# KiCad board BEEWATCH MK2.kicad_pcb (continued)
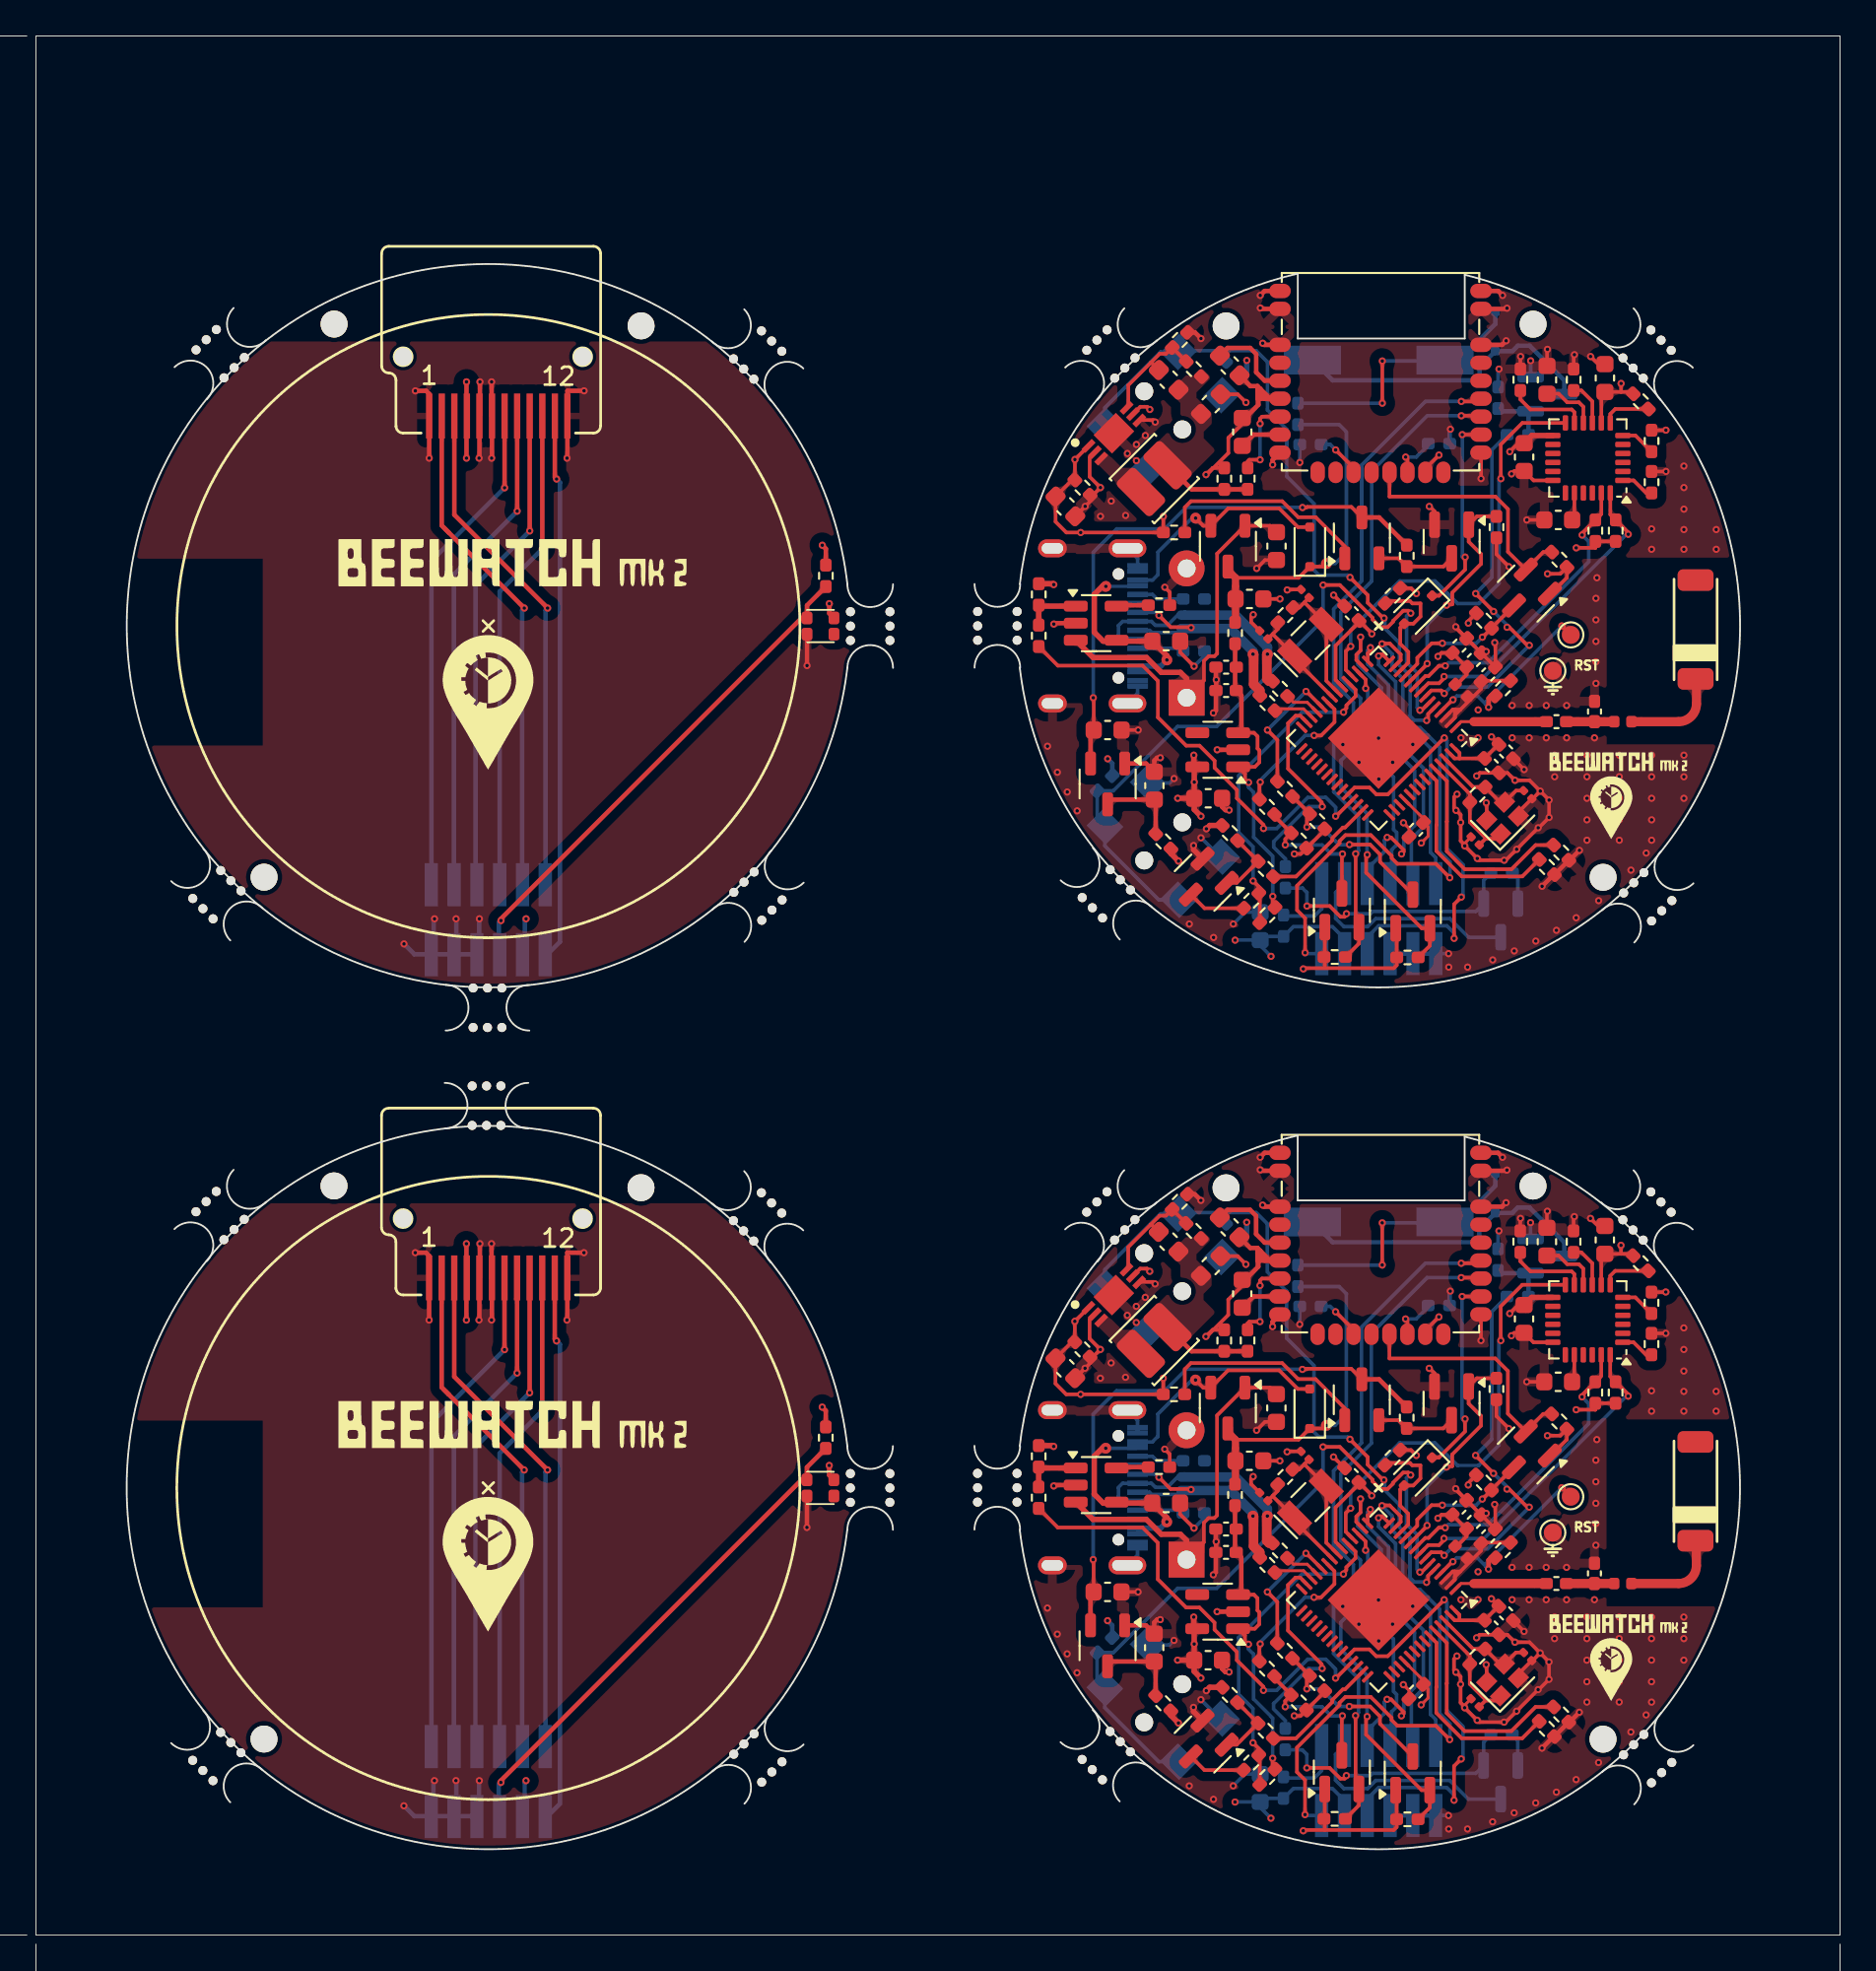
[diagram p0: board, top side]
## Routing (per net, layer and track width the routed paths; a pad name or vN(x,y) marks a point on that pad's centre or on a via; arc(x,y) is an arc through that point) (continued)
VDD3P3_RTC: length 12.6
  Top w0.2: C9.1 80.5,69.39 79.9,68.8 ; 79.04,67.79 79.04,67.93 79.35,68.24 ; 79.04,67.79 U1.2 ; 79.04,67.79 79.04,68.24 ; U1.3 78.93,68.24 79.04,68.24 ; 79.04,19.8 79.04,19.94 79.35,20.25 ; 79.04,19.8 U1#2.2 ; 79.04,19.8 79.04,20.25 ; L1.1 79.9,20.8 ; 79.9,20.8 79.35,20.25 ; 79.9,20.8 80.49,21.4 C9#2.1 ; 79.35,20.25 79.04,20.25 ; 79.04,20.25 78.92,20.25 U1#2.3 ; R40#2.2 80.54,21.85 ; 79.9,68.8 79.35,68.24 ; 79.9,68.8 L1#2.1 ; 79.35,68.24 79.04,68.24 ; R40.2 80.54,69.84
/ACCELEROMETER/MPU_INT: length 50.2
  Top w0.2: v1(81.6,33.1) 81.6,33.11 81.6,35.01 82.8,36.21 U3.12 ; U3#2.12 82.8,84.2 81.6,83 81.6,81.1 v1(81.61,81.1) ; v1(73.24,23.77) 72.97,23.5 72.97,22.46 U1#2.18 ; v1(73.24,71.76) 72.97,71.49 72.97,70.45 U1.18
  Bottom w0.2: v1(73.24,71.76) 73.24,72.67 75.97,75.4 77.93,75.4 79.19,74.14 80.37,74.14 81.5,75.27 81.5,80.99 v1(81.61,81.1) ; v1(81.6,33.1) 81.5,33 81.5,27.28 80.37,26.15 79.19,26.15 77.93,27.41 75.97,27.41 73.24,24.68 v1(73.24,23.77)
/ACCELEROMETER/MPU_SCL: length 37.1
  Top w0.2: 87.13,31.07 86.1,30.04 86.1,30 v1(86.13,29.97) 86.13,29.97 86.13,30.05 86.86,30.79 ; 87.13,31.07 R12.1 ; 87.13,31.07 87.2,31.14 U3.23 ; 86.87,78.78 86.14,78.04 86.14,77.97 v1(86.13,77.96) 86.1,77.99 86.1,78.03 87.14,79.06 ; 87.14,79.06 R12#2.1 ; 87.14,79.06 87.2,79.13 U3#2.23 ; U1.9 77.4,70.11 77.58,70.11 78.15,70.68 v1(78.51,70.68) ; v1(78.5,22.68) 78.14,22.68 77.57,22.12 77.39,22.12 U1#2.9
  Bottom w0.2: v1(86.13,77.96) 86.5,77.59 86.5,76.47 80.88,70.85 78.68,70.85 v1(78.51,70.68) ; v1(86.13,29.97) 86.5,29.6 86.5,28.48 80.87,22.86 78.68,22.86 v1(78.5,22.68)
/ACCELEROMETER/MPU_SDA: length 36
  Top w0.2: U3#2.24 87.7,79.1 R11.1 88.7,78.1 v1(88.7,78) ; v1(78.44,70.08) 78.44,69.98 78.16,69.71 77.56,69.71 U1.8 ; U3.24 87.7,31.11 R11#2.1 88.7,30.11 v1(88.7,30.01) ; U1#2.8 77.56,21.71 78.16,21.71 78.44,21.99 v1(78.44,22.09)
  Bottom w0.2: v1(88.7,78) 88.59,78 80.67,70.08 v1(78.44,70.08) ; v1(88.7,30.01) 88.59,30.01 80.67,22.09 v1(78.44,22.09)
/Battery&BMS/BAT_SENSE_EN: length 13.2
  Top w0.2: U1.41 72.92,61.67 72.8,61.67 72.22,61.09 72.22,60.97 70.19,58.94 R46#2.1 ; R46.1 70.19,10.95 72.21,12.98 72.21,13.1 72.8,13.68 72.92,13.68 U1#2.41
/Battery&BMS/CHG_ST: length 50.6
  Top w0.2: U1.39 72.42,62.3 v1(72.4,62.3) ; v1(72.4,14.31) 72.42,14.31 U1#2.39 ; v1(68.38,13.63) 68.38,13.83 66.9,15.31 66.9,15.77 65.65,17.01 65.65,17.4 64.81,18.24 64.07,18.24 62.5,19.81 62.5,21.84 61.64,22.7 56.92,22.7 R21.2 ; R21#2.2 56.93,70.69 61.65,70.69 62.5,69.83 62.5,67.81 64.07,66.23 64.82,66.23 65.66,65.39 65.66,65 66.9,63.76 66.9,63.3 68.38,61.82 v1(68.38,61.62)
  Bottom w0.2: v1(68.38,61.62) 69.12,61.62 70.85,63.35 71.85,63.35 72.4,62.8 v1(72.4,62.3) ; v1(68.38,13.63) 69.11,13.63 70.85,15.36 71.85,15.36 72.4,14.81 v1(72.4,14.31)
/Display board/_GND: length 59.5
  Top w0.25: DS1.5 24.7,34.27 v1(24.68,34.25) ; v1(25.39,86.49) 25.39,84.61 ; v1(25.39,82.24) 25.41,82.26 DS1#2.6 ; v1(21.91,82.24) DS1#2.1 21.91,85.82 21.74,85.99 v1(21.14,85.99) ; v1(29.59,82.24) 29.61,82.26 DS1#2.12 29.61,85.99 v1(30.54,85.99) ; v1(29.58,34.25) 29.6,34.27 DS1.12 29.6,38 v1(30.53,38) ; v1(25.38,38.5) 25.38,36.62 ; v1(21.13,38) 21.73,38 21.9,37.83 DS1.1 v1(21.9,34.25) ; DS1#2.5 24.71,82.26 v1(24.69,82.24) ; D1.3 v1(42.95,70.69) ; D1#2.3 v1(42.95,22.7) ; v1(24.73,38.5) 24.73,36.62 ; v1(24.74,86.49) 24.74,84.61 ; DS1.6 25.4,34.27 v1(25.38,34.25)
  Bottom w0.25: 22.15,6.62 22.15,8.55 v1(22.2,8.6) ; v1(24.7,56.59) 24.69,56.58 24.69,54.61 21.09,54.61 v1(20.5,55.19) ; 23.42,54.61 23.42,56.57 v1(23.4,56.59) ; v1(24.7,8.6) 24.69,8.59 24.69,6.62 21.08,6.62 v1(20.5,7.2) ; 23.42,6.62 23.42,8.58 v1(23.4,8.6) ; 22.15,54.61 22.15,56.54 v1(22.2,56.59)
/Display board/_LED: length 56.7
  Top w0.25: v1(25.9,8.5) 25.9,8.6 42.65,25.35 D1#2.2 ; D1#2.2 42.95,26.05 R6.1 ; D1#2.2 42.75,25.35 ; D1.2 42.95,74.04 R6#2.1 ; D1.2 42.65,73.34 25.9,56.59 v1(25.9,56.49) ; D1.2 42.75,73.34
  Bottom w0.25: v1(25.9,8.5) 25.78,8.38 25.78,6.65 ; v1(25.9,56.49) 25.79,56.37 25.79,54.64
/Display board/CS: length 54.8
  Top w0.25: DS1#2.8 v1(26.81,79.29) ; DS1.8 v1(26.8,31.3)
  Bottom w0.25: v1(26.8,31.3) 23.28,27.78 23.28,10.65 ; v1(26.81,79.29) 23.29,75.77 23.29,58.64
/Display board/D/C: length 55.3
  Top w0.25: DS1#2.7 v1(26.11,80.59) ; DS1.7 v1(26.1,32.6)
  Bottom w0.25: v1(26.1,32.6) 22.03,28.53 22.03,10.63 ; v1(26.11,80.59) 22.04,76.52 22.04,58.62
/Display board/LED_A: length 56.3
  Top w0.25: DS1#2.3 23.31,79.09 v1(28.5,73.89) ; v1(28.5,25.9) 23.3,31.1 DS1.3
  Bottom w0.25: 28.39,58.62 28.39,73.77 v1(28.5,73.89) ; 28.38,10.63 28.38,25.78 v1(28.5,25.9)
/Display board/LED_K: length 56.6
  Top w0.25: DS1#2.2 22.61,78.49 23,78.1 ; v1(27.2,73.89) 23,78.1 ; 23,78.1 22.7,78.39 ; v1(27.2,25.9) 22.99,30.11 ; 22.99,30.11 22.7,30.4 ; 22.99,30.11 22.6,30.5 DS1.2
  Bottom w0.25: v1(27.2,73.89) 27.09,73.77 27.09,58.65 ; v1(27.2,25.9) 27.08,25.78 27.08,10.66
/Display board/RST: length 60.8
  Top w0.25: v1(29,33.09) 28.9,33.18 DS1.11 ; DS1#2.11 28.91,81.17 v1(29,81.08)
  Bottom w0.25: v1(29,81.08) 29.2,80.89 29.2,55.31 28.5,54.61 ; v1(29,33.09) 29.19,32.89 29.19,7.31 28.5,6.62
/Display board/SCK: length 54.2
  Top w0.25: DS1.9 v1(27.5,30.2) ; DS1#2.9 v1(27.51,78.19)
  Bottom w0.25: v1(27.5,30.2) 24.48,27.18 24.48,10.72 ; v1(27.51,78.19) 24.49,75.17 24.49,58.71
/Display board/SDI: length 53.9
  Top w0.25: DS1#2.10 v1(28.21,77.19) ; DS1.10 v1(28.2,29.2)
  Bottom w0.25: 25.83,10.64 25.83,26.83 v1(28.2,29.2) ; 25.84,58.63 25.84,74.82 v1(28.21,77.19)
/Display/LED: length 48.9
  Top w0.2: v1(78.45,66.66) 75.31,63.52 74.67,63.52 74.29,63.9 73.45,63.9 U1.38 ; v1(79.4,9.81) 79,9.41 v1(79,7.51) ; v1(78.45,18.67) 75.3,15.53 74.66,15.53 74.28,15.91 73.45,15.91 U1#2.38 ; v1(79,55.5) 79,57.4 v1(79.4,57.8)
  Bottom w0.2: v1(79,55.5) 79,55.8 78.6,56.2 74.8,56.2 74.17,55.57 ; v1(79.4,9.81) 79.5,9.91 79.5,11.61 78.6,12.51 78.6,18.52 v1(78.45,18.67) 78.53,18.67 ; v1(79.4,57.8) 79.5,57.9 79.5,59.6 78.6,60.5 78.6,66.51 v1(78.45,66.66) 78.54,66.66 ; v1(79,7.51) 79,7.81 78.59,8.21 74.8,8.21 74.16,7.57
/Display/TFT_CS: length 31
  Top w0.2: U1.15 74.19,71.36 74.34,71.51 v1(74.34,71.69) ; v1(74.34,23.7) 74.34,23.52 74.18,23.37 U1#2.15
  Bottom w0.2: 76.62,58.64 76.62,61.04 77.29,61.71 77.29,64.98 76.18,66.09 76.18,66.55 75.34,67.39 75.34,69.62 74.19,70.78 74.19,71.54 v1(74.34,71.69) ; 76.61,10.65 76.61,13.05 77.29,13.72 77.29,16.98 76.17,18.1 76.17,18.56 75.34,19.4 75.34,21.63 74.19,22.78 74.19,23.55 v1(74.34,23.7)
/Display/TFT_D/C: length 30.1
  Top w0.2: U1.14 75.01,71.31 74.88,71.31 v1(74.79,71.22) ; U1#2.14 75,23.32 74.88,23.32 v1(74.79,23.23)
  Bottom w0.2: J3.11 77.97,59.99 77.69,60.28 77.69,66.08 76.93,66.84 76.46,66.84 75.74,67.56 75.74,69.79 74.79,70.74 v1(74.79,71.22) ; v1(74.79,23.23) 74.79,22.75 75.74,21.8 75.74,19.57 76.46,18.85 76.93,18.85 77.69,18.09 77.69,12.29 77.97,12 J3#2.11
/Display/TFT_LED_PIN: length 24
  Top w0.2: U1#2.27 70.43,19.91 70.16,19.91 69.75,19.49 69.75,16.96 71.62,15.09 71.62,14.96 71.61,14.96 71.61,14.88 v1(71.65,14.84) ; U1.27 70.43,67.9 70.17,67.9 69.75,67.48 69.75,64.95 71.62,63.08 71.62,62.96 71.62,62.95 71.62,62.87 v1(71.65,62.84)
  Bottom w0.2: v1(71.65,14.84) 70.9,14.84 68.95,12.89 68.95,12.59 69.6,11.94 R17.1 ; R17#2.1 69.6,59.93 68.95,60.58 68.95,60.88 70.9,62.84 v1(71.65,62.84)
/Display/TFT_LEDA: length 7.3
  Bottom w0.2: 69.56,56.74 71.22,56.74 71.62,57.15 J3.1 ; J3#2.1 71.62,9.16 71.21,8.75 69.55,8.75
/Display/TFT_LEDK: length 24.3
  Bottom w0.2: J3.3 72.4,58.06 72.4,56.62 72.86,56.15 74.19,56.15 74.63,56.6 78.76,56.6 79.8,55.56 Q2#2.3 ; Q2.3 79.8,7.57 78.76,8.61 74.63,8.61 74.18,8.16 72.86,8.16 72.4,8.62 72.4,10.06 J3#2.3
/Display/TFT_RST: length 65.3
  Top w0.2: v1(70.7,54.7) 70.7,56.62 70.25,57.07 70.25,58.43 72.62,60.8 72.62,60.92 72.95,61.25 74.36,61.25 75.52,60.09 75.52,59.97 75.84,59.65 77.98,59.65 v1(78.76,58.88) ; v1(74.98,23.91) 75.12,23.91 75.14,23.93 75.41,23.93 76.02,23.32 76.02,23.01 U1#2.13 ; U1.13 76.03,71 76.03,71.31 75.42,71.92 75.14,71.92 75.13,71.9 v1(74.98,71.9) ; v1(78.75,10.89) 77.98,11.66 75.84,11.66 75.51,11.98 75.51,12.1 74.36,13.26 72.94,13.26 72.61,12.93 72.61,12.81 70.25,10.44 70.25,9.08 70.7,8.63 v1(70.7,6.71)
  Bottom w0.2: v1(70.7,6.71) 70.75,6.66 J3#2.2 ; v1(70.7,54.7) 70.75,54.65 J3.2 ; v1(74.98,71.9) 75.55,71.33 75.55,70.55 76.14,69.95 76.14,67.72 76.63,67.24 77.1,67.24 78.2,66.14 78.2,60.33 78.77,59.76 78.77,58.89 v1(78.76,58.88) ; v1(78.75,10.89) 78.77,10.9 78.77,11.77 78.2,12.34 78.2,18.15 77.1,19.25 76.62,19.25 76.14,19.73 76.14,21.96 75.55,22.56 75.55,23.34 v1(74.98,23.91)
/Display/TFT_SCK: length 25.5
  Top w0.2: v1(74.07,21.43) 74.07,21.92 U1#2.17 ; v1(74.07,69.42) 74.07,69.91 U1.17
  Bottom w0.2: v1(74.07,69.42) 74.19,69.3 74.19,65.91 75.63,64.48 75.63,61.56 75.8,61.39 75.8,60.71 75.52,60.43 75.52,58.63 ; 75.51,10.64 75.51,12.44 75.8,12.72 75.8,13.4 75.62,13.57 75.62,16.48 74.19,17.92 74.19,21.31 v1(74.07,21.43)
/Display/TFT_SDI: length 38.6
  Top w0.2: v1(76.06,12.21) 76.19,12.33 76.19,12.43 75.48,13.13 v1(75.26,13.13) ; v1(75.27,61.12) 75.49,61.12 76.19,60.42 76.19,60.32 v1(76.07,60.2) ; U1#2.16 73.55,23.01 73.55,23.3 73.79,23.54 v1(73.79,24.29) ; U1.16 73.55,71 73.55,71.29 73.79,71.53 v1(73.79,72.28)
  Bottom w0.2: v1(73.79,24.29) 73.79,23.54 73.64,23.39 73.64,22.77 74.94,21.47 74.94,19.23 75.75,18.42 75.75,17.92 76.8,16.87 76.8,13.79 76.2,13.19 76.2,12.34 v1(76.06,12.21) ; v1(73.79,72.28) 73.79,71.53 73.64,71.38 73.64,70.76 74.94,69.46 74.94,67.22 75.75,66.41 75.75,65.91 76.8,64.86 76.8,61.78 76.2,61.18 76.2,60.33 v1(76.07,60.2) ; v1(75.27,61.12) 75.12,60.97 75.12,60.33 74.17,59.38 ; v1(75.26,13.13) 75.11,12.98 75.11,12.34 74.16,11.39
/ESP32/BAT_VSENSE: length 36.1
  Top w0.2: U1.19 73.51,69.34 73.51,68.99 73,68.47 73,68.32 72.84,68.16 v1(72.84,68.09) ; v1(67.8,10.71) 68.12,10.39 R45.1 ; R45#2.1 68.12,58.38 v1(67.8,58.7) ; v1(72.83,20.1) 72.83,20.17 73,20.33 73,20.48 73.51,21 73.51,21.35 U1#2.19 ; R44#2.2 68.18,57.97 ; R44.2 68.17,9.98
  Bottom w0.2: v1(67.8,10.71) 67.8,12.61 67,13.41 67,16.57 70.53,20.1 v1(72.83,20.1) ; v1(67.8,58.7) 67.8,60.6 67,61.4 67,64.56 70.53,68.09 v1(72.84,68.09)
/ESP32/BUZZER_EN: length 42
  Top w0.2: v1(78.45,69.14) 78.28,69.31 77.73,69.31 U1.7 ; v1(81.2,73.7) v1(80.2,74.7) ; v1(78.45,21.14) 78.28,21.31 77.72,21.31 U1#2.7 ; v1(83.19,23.83) 83.08,23.83 82.07,24.83 v1(81.94,24.83) ; v1(81.95,72.82) 82.08,72.82 83.08,71.82 v1(83.19,71.82) ; v1(81.2,25.71) v1(80.2,26.71)
  Bottom w0.2: R9.1 81.1,34.71 81.1,27.61 v1(80.2,26.71) ; v1(81.2,73.7) 81.95,72.95 v1(81.95,72.82) ; v1(81.2,25.71) 81.94,24.96 v1(81.94,24.83) ; v1(78.45,21.14) 78.81,21.51 80.87,21.51 v1(83.19,23.83) ; v1(83.19,71.82) 80.87,69.5 78.82,69.5 v1(78.45,69.14) ; v1(80.2,74.7) 81.1,75.6 81.1,82.7 R9#2.1
/ESP32/D+: length 26.1
  Top w0.2: v1(62.55,25.49) 63.21,24.84 64.31,24.84 v1(64.35,24.81) ; v1(62.56,73.48) 63.21,72.83 64.32,72.83 v1(64.35,72.8)
  Top w0.533: R8.1 68.18,69.3 67.83,69.65 67.83,71.29 v2(67.8,71.32) ; R8#2.1 68.17,21.31 67.83,21.66 67.83,23.3 v2(67.79,23.33)
  Bottom w0.2: 63.8,24.76 63.57,24.54 62.16,24.54 62.04,24.66 J1.A6 ; v1(62.55,25.49) 62.39,25.66 J1.B6 ; 63.8,72.75 63.58,72.53 62.16,72.53 62.04,72.65 J1#2.A6 ; J1#2.B6 62.39,73.65 v1(62.56,73.48)
  Bottom w0.533: 63.8,24.76 66.52,24.76 67.79,23.49 v2(67.79,23.33) ; 63.8,72.75 66.53,72.75 67.8,71.48 v2(67.8,71.32)
/ESP32/D-: length 26.2
  Top w0.533: v2(68.6,71.32) 68.57,71.29 68.57,69.95 68.7,69.82 R7#2.1 ; R7.1 68.69,21.83 68.56,21.96 68.56,23.3 v2(68.6,23.33)
  Bottom w0.2: 63.6,25.51 63.03,24.94 62.36,24.94 62.14,25.16 J1.A7 60.53,25.16 60.3,24.92 60.3,24.4 60.53,24.16 J1.B7 ; 63.6,73.5 63.03,72.93 62.36,72.93 62.14,73.15 J1#2.A7 60.54,73.15 60.3,72.91 60.3,72.39 60.54,72.15 J1#2.B7
  Bottom w0.533: 63.8,25.51 66.82,25.51 68.6,23.73 v2(68.6,23.33) ; 63.8,73.5 66.82,73.5 68.6,71.72 v2(68.6,71.32)
/ESP32/GPS_EN: length 25.1
  Top w0.2: U1.10 77.5,70.77 v1(77.5,70.8) ; R50#2.2 80.27,79 Q4.1 79.81,77.59 80.5,76.9 80.5,76.35 78.9,74.75 78.9,74.1 78.63,74.1 v1(78.58,74.05) ; U1#2.10 77.5,22.78 v1(77.5,22.81) ; R50.2 80.27,31.01 Q4#2.1 79.81,29.6 80.5,28.91 80.5,28.36 78.9,26.76 78.9,26.11 78.62,26.11 v1(78.57,26.06)
  Bottom w0.2: v1(77.5,70.8) 77.5,72.97 v1(78.58,74.05) ; v1(77.5,22.81) 77.5,24.98 v1(78.57,26.06)
/ESP32/GPS_PSS: length 13.7
  Top w0.2: 75.28,74.28 76.54,74.28 76.67,74.15 77.13,74.15 77.13,73.42 76.73,73.02 D3#2.2 76,72.8 76,71.9 76.45,71.45 76.45,70.85 U1.12 ; 75.28,26.29 76.53,26.29 76.67,26.16 77.12,26.16 77.12,25.43 76.72,25.03 D3.2 76,24.81 76,23.91 76.44,23.46 76.44,22.86 U1#2.12
/ESP32/GPS_RST: length 15.9
  Top w0.2: 81.08,24.79 Q7.3 ; v1(80.57,72.27) 80.68,72.38 80.7,72.38 R36.1 ; v1(78.34,23.94) 77.75,23.94 76.95,23.14 76.95,22.8 U1#2.11 ; 81.08,72.78 Q7#2.3 ; U1.11 76.95,70.79 76.95,71.13 77.75,71.93 v1(78.35,71.93) ; R36#2.1 80.69,24.39 80.68,24.39 v1(80.57,24.28)
  Bottom w0.2: v1(80.57,24.28) 80.23,23.94 v1(78.34,23.94) ; v1(78.35,71.93) 80.23,71.93 v1(80.57,72.27)
/ESP32/GPS_RXD: length 14.8
  Top w0.2: U1#2.24 70.77,21.26 v1(70.74,21.26) ; R39.2 69.15,18.55 v1(68.6,19.11) ; U1.24 70.78,69.25 v1(70.75,69.25) ; v1(68.6,67.1) 69.16,66.54 R39#2.2
  Bottom w0.2: v1(70.75,69.25) v1(68.6,67.1) ; v1(70.74,21.26) v1(68.6,19.11)
/ESP32/GPS_TXD: length 15.7
  Top w0.2: v1(68.2,16.21) 68.2,16.2 68.15,16.15 R38#2.2 ; U1.23 72.34,68.25 72.34,67.54 71.6,66.8 v1(71.2,66.8) ; v1(68.2,64.2) 68.2,64.19 68.16,64.14 R38.2 ; U1#2.23 72.33,20.26 72.33,19.55 71.59,18.81 v1(71.2,18.81)
  Bottom w0.2: v1(71.2,66.8) 70.7,66.8 68.2,64.3 v1(68.2,64.2) ; v1(68.2,16.21) 68.2,16.31 70.7,18.81 v1(71.2,18.81)
/ESP32/IO0: length 76.1
  Top w0.2: v1(73.2,75.6) 74.19,74.61 74.19,74.19 75.05,73.33 v1(75.09,73.33) ; v1(77.47,67.63) 77.51,67.63 77.55,67.67 77.55,68 U1.5 ; v1(73.2,27.61) 74.19,26.62 74.19,26.2 75.04,25.34 v1(75.09,25.34) ; U1#2.5 77.55,20.01 77.55,19.68 77.51,19.64 v1(77.46,19.64)
  Bottom w0.2: v1(75.09,25.34) 75.14,25.29 75.14,24.77 75.95,23.96 75.95,22.72 76.54,22.13 76.54,22.13 76.54,19.9 76.78,19.66 77.45,19.66 v1(77.46,19.64) ; v1(75.09,73.33) 75.14,73.28 75.14,72.76 75.95,71.95 75.95,70.71 76.54,70.12 76.54,70.12 76.54,67.89 76.78,67.65 77.45,67.65 v1(77.47,67.63) ; 63.71,40.23 67.97,40.23 68.6,39.61 68.6,36.93 69.67,35.85 69.67,33.23 71.2,31.71 71.2,28.01 71.47,27.73 73.07,27.73 v1(73.2,27.61) ; SW1#2.1 59.54,37.06 62.65,40.16 SW1#2.2 ; SW1.2 62.65,88.15 59.55,85.05 SW1.1 ; 63.72,88.22 67.98,88.22 68.6,87.6 68.6,84.92 69.68,83.84 69.68,81.22 71.2,79.7 71.2,76 71.48,75.72 73.08,75.72 v1(73.2,75.6)
  Bottom w0.25: R3.1 66.27,40.21 ; R3#2.1 66.28,88.2
/ESP32/IO1: length 78.9
  Top w0.2: v1(71.7,27.18) 72.63,27.18 74.46,25.36 74.46,25.26 74.88,24.84 75.3,24.84 75.59,25.13 75.59,25.18 76.16,25.75 76.44,25.75 v1(76.58,25.62) ; U1#2.6 77.18,20.21 v1(77.09,20.21) ; v1(71.7,75.17) 72.64,75.17 74.46,73.35 74.46,73.25 74.89,72.83 75.3,72.83 75.59,73.12 75.59,73.17 76.17,73.75 76.45,73.75 v1(76.58,73.61) ; v1(77.09,68.2) 77.19,68.2 U1.6
  Bottom w0.2: v1(77.09,68.2) 76.94,68.35 76.94,70.28 76.94,70.29 76.35,70.88 76.35,73.45 76.5,73.6 76.58,73.6 v1(76.58,73.61) ; SW2.2 59.55,60.65 62.55,57.65 SW2.1 ; v1(77.09,20.21) 76.94,20.36 76.94,22.29 76.94,22.29 76.35,22.89 76.35,25.46 76.5,25.61 76.57,25.61 v1(76.58,25.62) ; v1(71.7,75.17) 71.7,73.23 65.77,67.3 63.6,67.3 60.02,63.72 R5#2.1 59.12,62.18 ; v1(71.7,27.18) 71.7,25.24 65.77,19.31 63.6,19.31 60.01,15.73 R5.1 59.11,14.19 ; SW2#2.2 59.54,12.66 62.55,9.66 SW2#2.1
/ESP32/USB_D+: length 4.3
  Top w0.16: U1.26 70.61,68.28 69.12,68.28 ; U1#2.26 70.61,20.29 69.12,20.29
/ESP32/USB_D-: length 4
  Top w0.16: R7#2.2 70.06,68.64 70.82,68.64 U1.25 ; U1#2.25 70.81,20.65 70.05,20.65 R7.2
/ESP32/XTAL_32K_N: length 11.7
  Top w0.2: 68.92,24.48 68.92,24.42 Y2#2.1 ; 68.92,24.48 69.17,24.73 R4.2 ; 68.92,24.48 C4#2.1 ; 68.93,72.47 C4.1 ; 68.93,72.47 68.93,72.41 Y2.1 ; 68.93,72.47 69.18,72.72 R4#2.2 ; 70.11,23.05 U1#2.22 ; 70.12,71.04 U1.22
/ESP32/XTAL_32K_P: length 13.8
  Top w0.2: R4#2.1 70.38,73.92 70.68,74.22 ; U1#2.21 71.88,21.85 Y2#2.2 70.67,26.2 70.67,26.23 ; 70.67,26.23 70.37,25.93 R4.1 ; 70.67,26.23 C3#2.1 ; 70.68,74.22 70.68,74.19 Y2.2 71.88,69.84 U1.21 ; 70.68,74.22 C3.1
/ESP32/XTAL_N: length 13.3
  Top w0.2: 80.75,13.06 81.32,13.06 Y1#2.1 ; 80.75,13.06 80.75,13.11 79.87,13.98 R23#2.1 79.87,15.55 U1#2.53 ; 80.75,13.06 C1#2.1 ; Y1.1 81.33,61.05 80.75,61.05 ; U1.53 79.88,63.54 R23.1 79.88,61.97 80.75,61.1 80.75,61.05 ; 80.75,61.05 C1.1
/ESP32/XTAL_P: length 10.8
  Top w0.2: Y1#2.3 82.44,15.74 C2#2.1 ; C2.1 82.45,63.73 Y1.3 ; U1.54 80.06,63.92 R23.2 81.56,63.08 ; U1#2.54 80.06,15.93 R23#2.2 81.56,15.09
/RYS8830/FB: length 12.4
  Top w0.2: C28#2.2 62.15,39.56 62.1,39.56 ; 62.1,87.55 62.15,87.55 C28.2 ; 62.1,87.55 60.85,86.3 60.85,85.14 ; 62.1,87.55 62.6,88.05 62.95,88.05 R26.2 R27.1 ; 60.85,37.15 60.85,38.31 62.1,39.56 ; 62.1,39.56 62.6,40.06 62.95,40.06 R26#2.2 R27#2.1
/RYS8830/GNSS_+1.8V: length 202.9
  Top w0.2: 67.2,84.15 66.42,83.37 66.42,82.52 65.22,81.32 v1(65.18,81.32) 65.55,81.7 R28#2.1 ; 75.8,8.02 R32.2 75.8,6.01 75.64,5.85 70.64,5.85 v1(70.6,5.81) ; 58.68,82.97 v1(57.88,82.17) R25.2 ; 68.07,37.56 68.05,37.54 68.05,37.21 ; v1(62.8,79) 62.81,79 R41.1 57.4,78.1 56.8,78.7 C25.1 57.72,81.02 ; 71.8,6.42 71.8,5.85 ; 57.72,33.03 C25#2.1 56.8,30.71 57.4,30.11 R41#2.1 62.8,31 v1(62.8,31.01) ; 67.2,36.16 66.42,35.38 66.42,34.53 65.22,33.33 v1(65.17,33.33) 65.55,33.7 R28.1 ; 58.67,34.98 v1(57.87,34.17) R25#2.2 ; 71.8,54.42 71.8,53.84 ; v1(78.16,82.41) 77.4,81.66 ; 68.07,85.55 68.05,85.53 68.05,85.2 ; v1(62.05,36.96) 61.9,37.11 61.51,37.11 61.06,36.66 ; 61.07,84.65 61.52,85.1 61.9,85.1 v1(62.05,84.95) ; 84.39,74.69 85.28,75.58 R33#2.2 84.92,75.8 v1(84.2,75.8) ; v1(84.2,27.81) 84.91,27.81 R33.2 85.28,27.59 84.39,26.7 ; Q5.1 71.8,54.51 ; Q5#2.1 71.8,6.52 ; v1(70.6,53.8) 70.64,53.84 75.64,53.84 75.8,54 R32#2.2 75.8,56.01 ; v1(78.15,34.42) 77.4,33.67
  Top w0.25: 68.05,86.25 67.65,86.25 C27.2 ; 68.05,86.25 68.2,86.1 ; 68.05,86.25 68.05,85.95 ; 68.05,37.96 68.05,37.56 68.2,37.56 ; 68.05,37.96 68.2,38.11 ; 68.05,37.96 68.05,38.26 ; 68.05,37.96 68.2,37.81 ; 68.2,38.11 68.75,37.56 U7.4 ; 68.2,38.11 68.2,37.81 ; 68.2,38.11 68.05,38.26 ; 68.2,86.1 68.75,85.55 U7#2.4 ; 68.2,86.1 68.05,85.95 ; 68.2,86.1 68.2,85.8 ; U7#2.4 68.45,85.55 68.2,85.8 ; U7#2.4 68.2,85.55 ; 68.05,85.95 68.2,85.8 ; 68.05,85.95 68.05,85.55 68.2,85.55 ; 68.2,85.8 68.2,85.55 ; 68.05,38.26 67.65,38.26 C27#2.2 ; 68.2,37.81 68.2,37.56 ; 68.2,37.81 68.45,37.56 U7.4 ; 68.2,37.56 U7.4 ; 68.1,85.55 68.1,85.21 67.59,84.7 67.2,84.7 ; 67.2,36.71 67.58,36.71 68.09,37.22 68.09,37.56
  In2.Cu w0.2: v1(62.8,79) 62.86,79 v1(65.18,81.32) 77.07,81.32 v1(78.16,82.41) 77.92,82.18 77.92,82.08 v1(84.2,75.8) ; v1(58.2,30.11) 58.2,18.21 v1(70.6,5.81) ; v1(70.6,53.8) 58.2,66.2 v1(58.2,78.1) ; v1(57.87,34.17) 58.66,34.17 61.45,36.96 v1(62.05,36.96) ; v1(84.2,27.81) 77.92,34.09 77.92,34.19 v1(78.15,34.42) 77.06,33.33 v1(65.17,33.33) 62.85,31.01 v1(62.8,31.01) ; v1(57.88,82.17) 58.67,82.17 61.45,84.95 v1(62.05,84.95)
/RYS8830/PPS: length 22.4
  Top w0.2: v1(79.61,76.73) 79.61,76.03 78.16,74.58 D3#2.1 ; v1(79.61,28.74) 79.61,28.04 78.15,26.59 D3.1 ; U7.17 v1(79.45,35.56) ; U7#2.17 v1(79.45,83.55)
  Bottom w0.2: v1(79.45,83.55) 79.45,76.75 79.51,76.69 79.53,76.69 79.56,76.72 79.6,76.72 v1(79.61,76.73) ; v1(79.61,28.74) 79.6,28.73 79.56,28.73 79.53,28.7 79.5,28.7 79.45,28.76 v1(79.45,35.56)
/RYS8830/RXD: length 75.4
  Top w0.2: Q5.2 73.7,55.22 R31.1 ; R31#2.1 73.7,7.22 Q5#2.2 ; 73.52,56.31 v1(73.52,60.21) ; v1(79.4,85.4) 80.35,85.4 ; 73.51,8.32 v1(73.51,12.22) ; v1(79.4,37.41) 80.35,37.41
  Bottom w0.2: v1(73.52,60.21) 73.68,60.37 73.68,62.28 72.29,63.67 72.29,66.79 73.39,67.89 73.39,68.63 72.29,69.73 72.29,73.84 73.85,75.4 73.85,81.85 77.4,85.4 v1(79.4,85.4) ; v1(79.4,37.41) 77.4,37.41 73.85,33.86 73.85,27.41 72.29,25.85 72.29,21.74 73.39,20.64 73.39,19.9 72.29,18.8 72.29,15.67 73.67,14.29 73.67,12.38 v1(73.51,12.22) ; 73.56,60.17 73.54,60.15 ; 73.56,12.18 73.53,12.16
/RYS8830/TXD: length 77.3
  Top w0.2: v1(74.16,60.16) 74.1,60.1 74.1,59.16 77.2,56.06 Q6#2.2 77.65,55.09 R32#2.1 ; v1(79.4,84.6) 80.45,84.6 ; v1(79.4,36.61) 80.45,36.61 ; v1(74.16,12.17) 74.1,12.11 74.1,11.17 77.19,8.07 Q6.2 77.65,7.1 R32.1
  Bottom w0.2: v1(79.4,36.61) 77.5,36.61 74.4,33.51 74.4,27.4 72.69,25.68 72.69,21.98 73.79,20.87 73.79,18.51 72.7,17.42 72.7,15.91 74.15,14.46 74.15,12.18 v1(74.16,12.17) ; v1(79.4,84.6) 77.5,84.6 74.4,81.5 74.4,75.39 72.69,73.67 72.69,69.97 73.79,68.87 73.79,66.5 72.7,65.41 72.7,63.9 74.15,62.45 74.15,60.17 v1(74.16,60.16)
GNSS_+1V8: length 24.3
  Top w0.2: Q8#2.1 72.91,77.32 71.29,78.95 70.31,78.95 69.42,79.84 64.34,79.84 64,79.5 R41.2 ; R41#2.2 64,31.51 64.34,31.85 69.42,31.85 70.31,30.96 71.28,30.96 72.91,29.33 Q8.1
Net-(AE1-FEED): length 11.3
  Top w0.508: 92.5,70.05 92.5,68.57 arc(92.21,67.86) 91.5,67.57 L2#2.2 ; 92.5,22.06 92.5,20.58 arc(92.2,19.87) 91.5,19.58 L2.2
Net-(BZ1-+): length 28.2
  Top w0.2: v1(75,85.3) v1(75,87.65) ; v1(75,37.31) v1(75,39.66)
  Bottom w0.2: R53#2.2 74.99,37.31 v1(75,37.31) ; BZ1.1 78.44,87.65 v1(75,87.65) ; v1(75,85.3) 75,85.3 R53.2 ; v1(75,39.66) 78.44,39.66 BZ1#2.1
  Bottom w0.25: 79.28,87.7 81.3,89.72 D4#2.1 ; 79.28,39.71 81.3,41.72 D4.1
Net-(BZ1--): length 34.6
  Bottom w0.25: BZ1.2 72.23,86.57 80.41,86.57 80.41,87.31 D4#2.2 82.25,88.2 82.55,88.5 83.21,88.5 85.14,86.57 Q1#2.3 ; BZ1#2.2 72.23,38.58 80.41,38.58 80.41,39.32 D4.2 82.25,40.21 82.55,40.51 83.2,40.51 85.13,38.58 Q1.3
Net-(C12-Pad2): length 5.3
  Top w0.508: L2#2.1 C12.2 ; L2.1 C12#2.2
Net-(J1-CC1): length 4.8
  Bottom w0.2: J1.A5 63.75,23.66 ; J1#2.A5 63.75,71.65
Net-(J1-CC2): length 5.3
  Bottom w0.2: R2.1 62.44,26.41 62.19,26.66 J1.B5 ; J1#2.B5 62.2,74.65 62.45,74.4 R2#2.1
Net-(Q1-G): length 5.7
  Bottom w0.25: Q1#2.1 81.6,84.85 ; Q1.1 81.6,36.86 ; R9.2 83.14,36.74 ; R9#2.2 83.15,84.74
Net-(Q2-G): length 28.7
  Top w0.2: v1(73,8.88) 73,8.81 72.9,8.71 72.67,8.71 72.07,9.31 v1(70.8,9.31) ; v1(73,56.87) 73,56.8 72.9,56.7 72.67,56.7 72.07,57.3 v1(70.8,57.3)
  Bottom w0.2: v1(70.8,57.3) 70.8,58.05 70.55,58.3 R17#2.2 ; R18#2.1 80.65,10.74 Q2.1 80.21,9.01 74.46,9.01 74.34,8.88 v1(73,8.88) ; R18.1 80.65,58.74 Q2#2.1 80.21,57 74.47,57 74.34,56.87 v1(73,56.87) ; R17.2 70.55,10.31 70.8,10.06 v1(70.8,9.31)
Net-(Q4-D): length 8.9
  Top w0.2: Q4.3 78.4,76.2 R24.1 75.9,76.66 Q8#2.2 ; Q8.2 75.9,28.67 R24#2.1 78.4,28.21 Q4#2.3
Net-(Q5-D): length 15.5
  Top w0.2: v1(69.59,60.71) 69.59,61.03 R34#2.1 69,62.3 ; v1(69.59,12.71) 69.59,13.04 R34.1 69,14.31 ; Q5.3 72.75,60.17 v1(72.78,60.2) ; Q5#2.3 72.75,12.18 v1(72.78,12.21)
  Bottom w0.2: v1(72.78,60.2) 72.15,60.2 71.65,60.7 69.6,60.7 v1(69.59,60.71) ; v1(69.59,12.71) 69.6,12.71 71.64,12.71 72.14,12.21 v1(72.78,12.21)
Net-(Q6-D): length 19.3
  Top w0.2: Q6#2.3 74.88,59.76 74.88,60.17 74.32,60.72 v1(73.17,60.72) ; R39.1 R35#2.1 ; R39#2.1 R35.1 ; v1(70.8,13.71) 70.8,14.3 ; v1(70.8,61.7) 70.8,62.29 ; v1(73.16,12.73) 73.16,12.73 74.32,12.73 74.87,12.18 74.87,11.77 Q6.3
  Bottom w0.2: v1(73.16,12.73) 72.57,12.73 71.6,13.71 v1(70.8,13.71) ; v1(70.8,61.7) 71.6,61.7 72.58,60.72 v1(73.17,60.72)
Net-(Q7-S): length 27.7
  Top w0.2: U7#2.12 75.4,80.1 81.3,80.1 82,79.4 82,77.03 Q7#2.2 83.97,77.01 R33#2.1 ; R33.1 83.96,29.02 Q7.2 82,29.04 82,31.41 81.3,32.11 75.4,32.11 U7.12
Net-(Q9-D): length 6.5
  Top w0.2: R45#2.2 65.1,57.18 Q9.3 ; R45.2 65.09,9.19 Q9#2.3
Net-(Q9-G): length 7.8
  Top w0.2: Q9#2.1 66.88,10.6 R46.2 R47.1 ; R47#2.1 R46#2.2 66.89,58.59 Q9.1
Net-(U1-CHIP_PU): length 22.4
  Top w0.2: v1(85,24.91) TP1.1 ; U1.4 78.92,68.8 78.93,68.8 78.94,68.79 v1(78.94,68.79) ; v1(85,72.9) TP1#2.1 ; U1#2.4 78.91,20.81 78.93,20.81 78.93,20.8 v1(78.93,20.79)
  Top w0.25: 81.05,69 80.92,68.87 v1(80.92,68.37) ; 85.1,72.9 v1(85,72.9) ; 81.05,21.01 80.91,20.88 v1(80.91,20.38) ; 85.1,24.91 v1(85,24.91)
  Bottom w0.2: v1(78.93,20.79) 79.15,21.01 80.3,21.01 80.91,20.39 v1(80.91,20.38) 80.76,20.53 80.76,20.67 v1(85,24.91) ; v1(85,72.9) 80.77,68.67 80.77,68.52 v1(80.92,68.37) 80.92,68.38 80.3,69 79.15,69 v1(78.94,68.79)
Net-(U1-GPIO45): length 22.3
  Top w0.2: U1#2.51 78.02,16.27 78.02,13.82 78.01,13.81 78.01,12.37 79.42,10.96 82.8,10.96 R51.1 ; R51#2.1 82.8,58.95 79.42,58.95 78.01,60.36 78.01,61.8 78.02,61.81 78.02,64.26 U1.51
Net-(U1-GPIO46): length 23.5
  Top w0.2: R52.2 83.53,12.7 82.19,11.36 79.59,11.36 78.59,12.36 78.59,14.01 78.59,14.02 78.59,16.27 U1#2.52 ; U1.52 78.6,64.26 78.6,62.01 78.59,62 78.59,60.35 79.59,59.35 82.19,59.35 83.54,60.69 R52#2.2
Net-(U1-LNA_IN): length 10.4
  Top w0.16: 80.1,19.58 79.38,19.58 U1#2.1 ; U1.1 79.38,67.57 80.1,67.57
  Top w0.508: C12#2.1 80.1,19.58 ; C12.1 80.1,67.57
Net-(U3-AD0): length 5
  Top w0.2: U3#2.9 86.7,85.4 86.09,86.01 R42#2.2 ; R42.2 86.09,38.02 86.7,37.41 U3.9
Net-(U3-AUX_CL): length 5.5
  Top w0.2: U3.7 87.7,36.71 87.97,36.99 R16.1 ; U3#2.7 87.7,84.7 87.98,84.98 R16#2.1
Net-(U3-AUX_DA): length 3.9
  Top w0.2: R15.1 89.1,83.5 U3#2.6 ; R15#2.1 89.1,35.51 U3.6
Net-(U3-CLKIN): length 3.8
  Top w0.2: R14.2 89.69,32.31 89,33.01 U3.1 ; R14#2.2 89.7,80.3 89,81 U3#2.1
Net-(U3-CPOUT): length 2.8
  Top w0.2: U3#2.20 85.7,78.93 ; U3.20 85.7,30.93
Net-(U3-FSYNC): length 8.8
  Top w0.2: R13#2.2 82.68,37.52 83.25,36.96 85.55,36.96 85.7,36.81 U3.11 ; R13.2 82.69,85.51 83.25,84.95 85.55,84.95 85.7,84.8 U3#2.11
Net-(U3-REGOUT): length 6.5
  Top w0.2: U3#2.10 86.2,85.1 85.95,85.35 85.3,85.35 84.83,85.83 C15#2.1 ; C15.1 84.82,37.83 85.3,37.36 85.95,37.36 86.2,37.11 U3.10
Net-(U4-PROG): length 3.4
  Top w0.25: R20.1 60.25,74.05 ; R20#2.1 60.25,26.06
Net-(U4-STAT): length 6.2
  Top w0.3: U4#2.1 55.91,26.01 ; U4.1 55.92,74 ; R21#2.1 R22.1 ; R21.1 R22#2.1
Net-(U7-LDO1_OUT): length 4.7
  Top w0.25: C26#2.1 67.82,83.55 U7#2.6 ; U7.6 67.82,35.56 C26.1
Net-(U7-LDO2_OUT): length 9.7
  Top w0.25: U7.3 68.45,38.56 67.97,39.03 67.97,40.05 67.63,40.38 66.37,40.38 C27#2.1 ; U7#2.3 68.45,86.55 67.97,87.03 67.97,88.04 67.64,88.38 66.38,88.38 C27.1
Net-(U7-LDO_IN): length 9.1
  Top w0.2: R49#2.2 67.5,82.05 67.6,82.15 v1(68.19,82.15) ; v1(68.19,34.16) 67.59,34.16 67.5,34.06 R49.2 ; v1(68.19,36.17) 68.19,36.45 68.3,36.56 U7.5 ; U7#2.5 68.3,84.55 68.19,84.44 v1(68.19,84.16)
  Bottom w0.2: v1(68.19,36.17) v1(68.19,34.16) ; v1(68.19,84.16) v1(68.19,82.15)
Net-(U7-P06/BOOT_REC): length 4.7
  Top w0.2: v1(72.4,82.7) 73.4,81.7 ; v1(72.4,34.71) 73.4,33.71
  Bottom w0.2: R29#2.2 72.1,83 v1(72.4,82.7) ; v1(72.4,34.71) 72.1,35.01 R29.2
Net-(U7-RTC_CLK_IN): length 4.9
  Top w0.2: v1(76.3,34.31) 76.4,34.21 U7.13 ; v1(76.3,82.3) 76.4,82.2 U7#2.13
  Bottom w0.2: v1(76.3,34.31) 76.89,34.31 77.55,34.98 ; 77.56,82.97 76.89,82.3 v1(76.3,82.3)

## Copper pours and planes (outline as drawn; the poured copper is in the pictures)
+3.3V on In2.Cu: 95.2,44.81 95.2,4.71 54.4,4.71 54.4,44.81
+3.3V on In2.Cu: 95.2,92.8 95.2,52.7 54.4,52.7 54.4,92.8
/Display board/3V3 on In2.Cu: 5,93.09 45.4,93.09 45.4,52.59 45.3,52.49 5.1,52.49 5.1,92.99
/Display board/3V3 on In2.Cu: 5,93.09 45.4,93.09 45.4,52.59 45.3,52.49 5.1,52.49 5.1,92.99
/Display board/3V3 on In2.Cu: 5,45.1 45.4,45.1 45.4,4.6 45.3,4.5 5.1,4.5 5.1,45
/Display board/3V3 on In2.Cu: 5,45.1 45.4,45.1 45.4,4.6 45.3,4.5 5.1,4.5 5.1,45
/RYS8830/+0.92V on Top: 62.15,82.45 62.15,82.8 63.75,84.4 63.75,85.3 63.15,85.95 64.05,86.85 64.5,86.85 64.85,87.2 65,87.2 65.4,86.8 65.4,86.65 64.65,85.9 64.65,85.6 65.5,84.75 65.5,84.15 65.05,83.7 65.05,83.35 65.65,82.75 65.65,82.6 64.1,81.05 63.6,81.05 62.2,82.45
/RYS8830/+0.92V on Top: 62.15,34.46 62.15,34.81 63.75,36.41 63.75,37.31 63.15,37.96 64.05,38.86 64.5,38.86 64.85,39.21 65,39.21 65.4,38.81 65.4,38.66 64.65,37.91 64.65,37.61 65.5,36.76 65.5,36.16 65.05,35.71 65.05,35.36 65.65,34.76 65.65,34.61 64.1,33.06 63.6,33.06 62.2,34.46
GND on Top: 95.2,92.8 95.2,52.7 54.4,52.7 54.4,92.8
GND on Top: 95.2,44.81 95.2,4.71 54.4,4.71 54.4,44.81
GND on Bottom: 95.2,92.8 95.2,52.7 54.4,52.7 54.4,92.8
GND on Bottom: 95.2,44.81 95.2,4.71 54.4,4.71 54.4,44.81
GND on In1.Cu: 95.2,44.81 95.2,4.71 54.4,4.71 54.4,44.81
GND on In1.Cu: 95.2,92.8 95.2,52.7 54.4,52.7 54.4,92.8
VDD3P3_RTC on Top: 78.1,67.6 78.1,67.5 78.4,67.2 78.6,67.2 80.9,69.5 80.9,69.8 80.6,70.1 80.4,70.1 79.2,68.9 79.2,68.7
VDD3P3_RTC on Top: 78.1,19.61 78.1,19.51 78.4,19.21 78.6,19.21 80.9,21.51 80.9,21.81 80.6,22.11 80.4,22.11 79.2,20.91 79.2,20.71
/Display board/_GND on Top: 5,45.1 45.4,45.1 45.4,4.6 45.3,4.5 5.1,4.5 5.1,45
/Display board/_GND on Top: 5,93.09 45.4,93.09 45.4,52.59 45.3,52.49 5.1,52.49 5.1,92.99
/Display board/_GND on Bottom: 5,45.1 45.4,45.1 45.4,4.6 45.3,4.5 5.1,4.5 5.1,45
/Display board/_GND on Bottom: 5,93.09 45.4,93.09 45.4,52.59 45.3,52.49 5.1,52.49 5.1,92.99
/Display board/_GND on In1.Cu: 5,93.09 45.4,93.09 45.4,52.59 45.3,52.49 5.1,52.49 5.1,92.99
/Display board/_GND on In1.Cu: 5,45.1 45.4,45.1 45.4,4.6 45.3,4.5 5.1,4.5 5.1,45
/RYS8830/SW on Top: 59.4,82.4 59.05,82.05 59.05,82 60.15,80.9 60.15,80.75 60.25,80.65 61.25,81.65 61.2,81.7 60.5,81.7 59.6,82.6 59.35,82.35 59.4,82.35
/RYS8830/SW on Top: 59.4,34.41 59.05,34.06 59.05,34.01 60.15,32.91 60.15,32.76 60.25,32.66 61.25,33.66 61.2,33.71 60.5,33.71 59.6,34.61 59.35,34.36 59.4,34.36

Small or netless copper shapes (teardrops, artwork), in the pictures only: 872 on Top, 338 on Bottom, 20 on In2.Cu

## Text on the board
B.Silkscreen: Everyone: / You can't use PCB / for mems / Me:
F.Silkscreen: RST
